# KiCad board 2 - CPU and core components (Rev 2.2).kicad_pcb (continued)
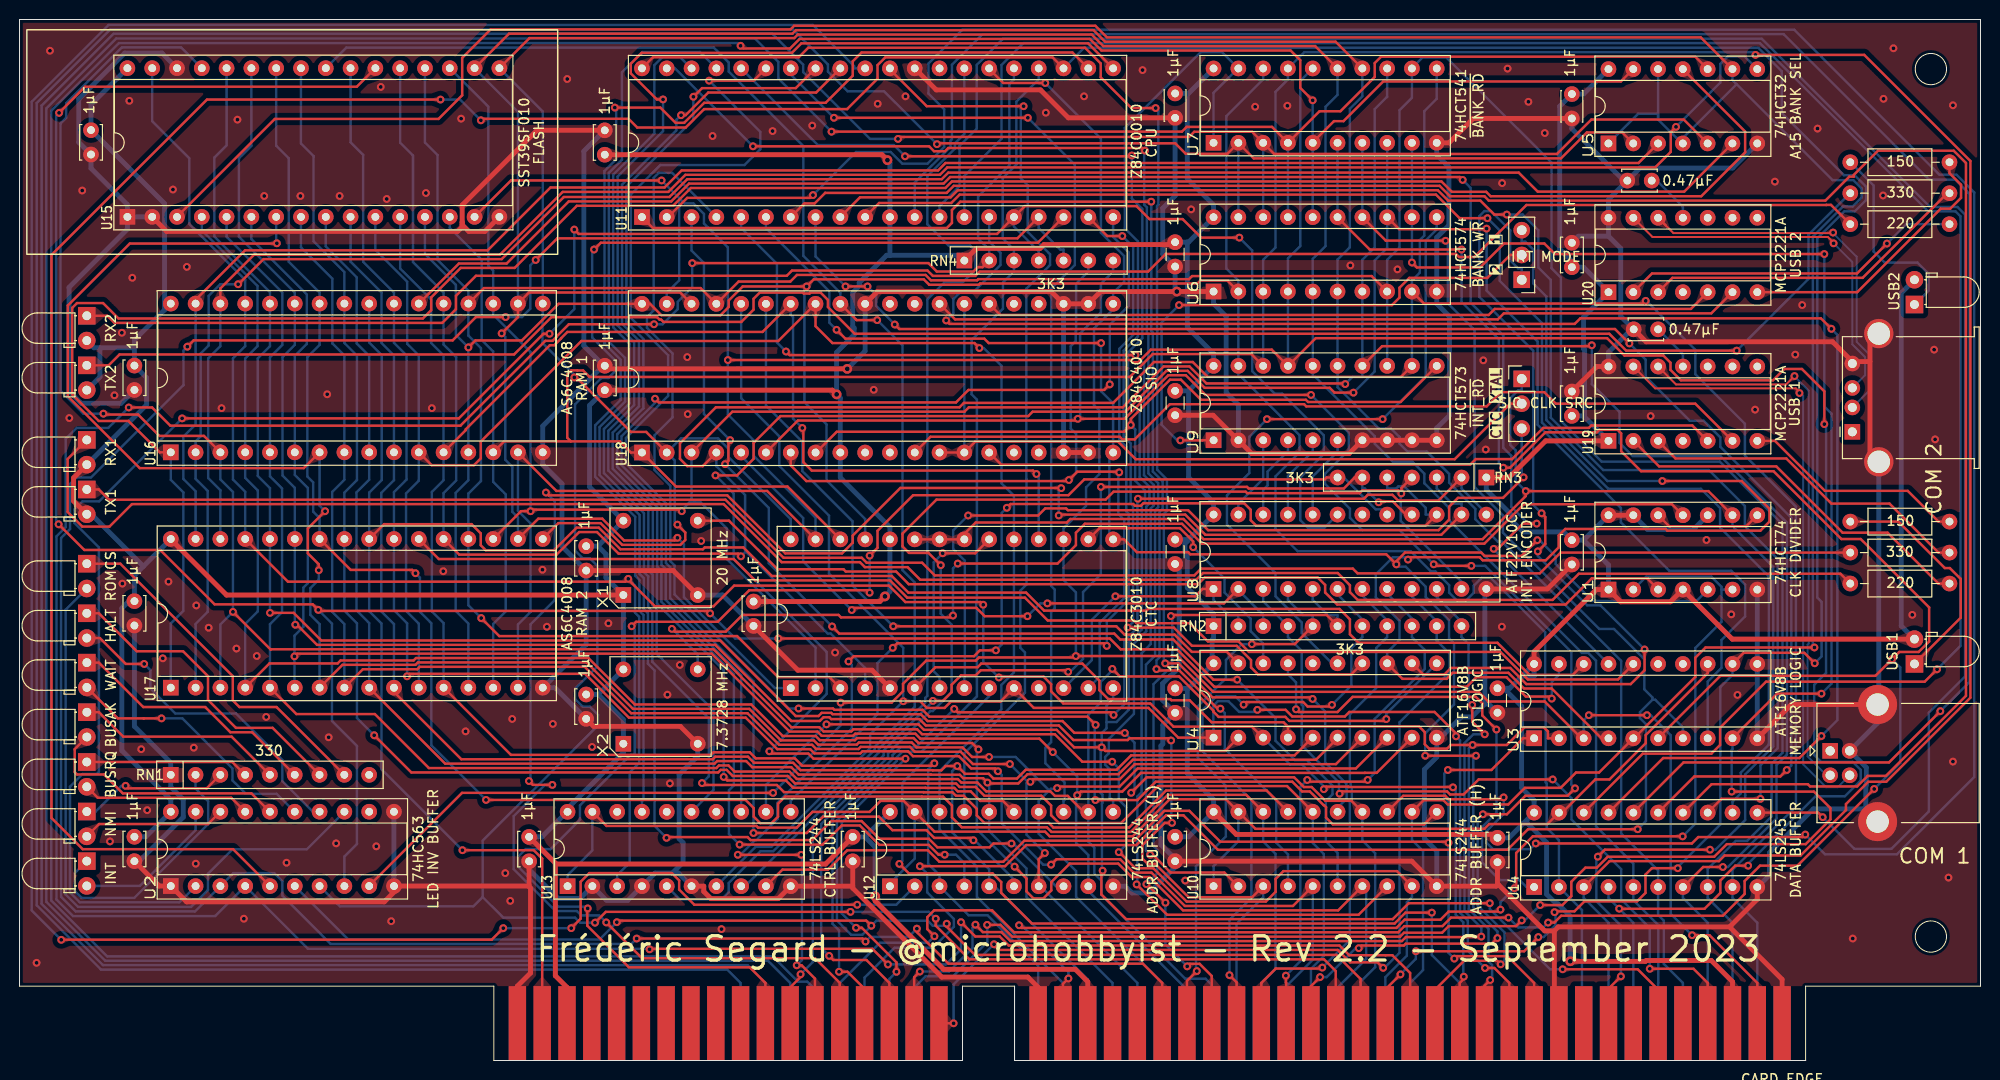
[diagram p0: board, top side]
## Routing (per net, layer and track width the routed paths; a pad name or vN(x,y) marks a point on that pad's centre or on a via; arc(x,y) is an arc through that point) (continued)
~{IORQ}: length 173.2
  Top w0.25: v2(147.14,33.22) 147.14,33.52 144.94,35.72 136.21,35.72 135.75,35.25 130.36,35.25 129.68,35.93 v2(126.79,35.93) ; v2(150.11,9.48) 151.06,9.48 152.6,7.95 J1.43 ; U4.1 118.69,33.08 115.64,36.13 103.89,36.13 101.86,38.16 U21.10 100.47,36.78 95.4,36.78 94.75,36.13 92.94,36.13 92.25,36.82 v2(90.52,36.82)
  Bottom w0.25: U18.36 73.91,67.87 77.82,63.96 77.82,60.93 82.91,55.84 82.91,49.9 90.52,42.29 v2(90.52,36.82) 87.13,33.43 87.13,32.02 77,21.89 75.4,21.89 71.37,17.86 ; v2(147.14,33.22) 147.55,32.81 147.55,15.13 148.34,14.34 148.34,11.24 v2(150.11,9.48) ; v2(126.79,35.93) 126.57,35.72 124.92,35.72 123.82,36.82 122.74,36.82 122.28,36.35 122.28,34.23 122.3,34.21 U4.1
~{IRQ}0: length 27.4
  Top w0.25: U8.1 121.18,48.32 120.43,47.57 v2(112.25,47.57)
  Bottom w0.25: U8.1 122.3,47.2 123.86,45.64 124.84,45.64 RN2.2 ; v2(112.25,47.57) 109.83,45.16 109.83,41.03 106.97,38.16 U21.12
~{IRQ}1: length 66.9
  Top w0.25: v2(105.28,46.85) 123.36,46.85 U8.2 ; v2(103.24,45.53) 98.86,45.53 98.01,46.38 85.46,46.38 v2(85.24,46.16)
  Bottom w0.25: v2(103.24,45.53) 104.56,46.85 v2(105.28,46.85) ; U18.5 73.91,61.94 80.26,55.59 80.26,51.14 v2(85.24,46.16) ; RN2.3 127.38,45.66 124.84,48.2 U8.2
~{IRQ}2: length 81.2
  Top w0.25: v2(157.04,28.8) 149.46,28.8 147.92,27.26 146.53,27.26 146.21,27.58 135.45,27.58 v2(135.21,27.34) ; J1.35 172.92,7.95 171.46,9.4 v2(166.98,9.4)
  Bottom w0.25: U8.3 127.38,47.05 RN2.4 129.92,43.39 131.34,41.97 131.34,36.45 131.47,36.32 131.47,35.69 131.34,35.55 131.34,32.3 135.14,28.49 135.14,27.4 v2(135.21,27.34) ; v2(157.04,28.8) 158.96,26.88 158.96,24.7 164.05,19.61 164.05,16.51 166.98,13.58 v2(166.98,9.4)
~{IRQ}3: length 57.1
  Top w0.25: v2(126.23,42.67) 126.24,42.67 130.62,42.67 RN2.5 ; v2(120.59,9.17) 119.58,8.15 J1.56
  Bottom w0.25: U8.4 129.92,47.2 131.48,45.64 132.46,45.64 RN2.5 ; v2(126.23,42.67) 125.19,42.67 123.57,41.05 123.57,39.17 120.69,36.28 120.69,31.03 123.56,28.15 123.56,22.96 120.5,19.9 120.5,9.25 v2(120.59,9.17)
~{IRQ}4: length 70.2
  Top w0.25: v2(115.42,18.07) 115.46,18.07 v2(117.37,16.16) ; RN2.6 135,44.54 133.89,45.65 118.04,45.65 v2(117.94,45.55) ; J1.55 122.12,8.66 120.87,9.91 119.86,9.91 v2(119.6,9.65)
  Bottom w0.25: v2(115.42,18.07) 116.53,19.18 116.53,21.59 116.15,21.97 116.15,38.56 117.57,39.97 117.65,39.97 118.07,40.4 118.07,45.41 v2(117.94,45.55) ; v2(119.6,9.65) 119.6,9.65 117.37,11.89 117.37,16.15 v2(117.37,16.16) ; U8.5 132.46,47.2 134.02,45.64 135,45.64 RN2.6
~{IRQ}5: length 64.2
  Top w0.25: J1.54 124.66,8.02 v2(123.93,8.75) ; v2(134.43,36.44) 134.26,36.27 131.94,36.27 131.47,36.74 125.65,36.74 v2(125.38,36.47)
  Bottom w0.25: v2(125.38,36.47) 124.54,37.31 122.58,37.31 121.18,35.91 121.18,31.69 126.18,26.68 126.18,16.66 123.93,14.41 v2(123.93,8.75) ; v2(134.43,36.44) 136.42,38.43 136.42,42.26 137.54,43.39 RN2.7 137.54,45.2 135,47.74 U8.6
~{IRQ}6: length 53.8
  Top w0.25: v2(133.44,9.52) 133.34,9.42 128.67,9.42 127.2,7.95 J1.53
  Bottom w0.25: U8.7 137.54,47.64 140.08,45.1 RN2.8 140.08,43.39 138.96,42.26 138.96,38.17 136.26,35.47 136.26,28.64 136.34,28.57 136.34,28.08 136.47,27.95 136.47,26.72 136.26,26.52 136.26,12.34 v2(133.44,9.52)
~{IRQ}7: length 55.8
  Top w0.25: v2(131.9,28.75) 132.07,28.57 137.92,28.57 v2(138.09,28.75) ; v2(129.71,8.69) 129.71,7.97 129.74,7.95 J1.52
  Bottom w0.25: v2(138.09,28.75) 138.8,29.46 138.8,35 143.93,40.13 143.93,42.08 142.62,43.39 RN2.9 142.62,45.31 140.08,47.85 U8.8 ; v2(131.9,28.75) 131.2,28.05 131.2,10.18 v2(129.71,8.69)
~{IRQ}8: length 95.5
  Top w0.25: v2(139.68,9.49) 139.11,10.06 136.29,10.06 135.02,11.33 100.4,11.33 v2(99.82,11.91) ; J1.81 v2(95.67,3.81)
  Bottom w0.25: v2(139.68,9.49) 139.81,9.49 141.35,11.03 141.35,34.65 146.48,39.78 146.48,41.7 145.16,43.02 RN2.10 145.16,45 142.62,47.54 U8.9 ; v2(99.82,11.91) 99.79,11.91 95.67,7.8 v2(95.67,3.81)
~{IRQ}9: length 107.1
  Top w0.25: v2(97.91,13.92) 98.67,13.16 100.58,13.16 101.5,12.23 141.59,12.23 142,12.64 149.67,12.64 v2(149.73,12.7) ; v2(148.79,36.44) 148.79,34.71 v2(150.08,33.43) ; J1.82 91.64,8.53 v2(92.22,9.12)
  Bottom w0.25: v2(97.91,13.92) 97.61,13.61 97.61,11.52 95.21,9.12 v2(92.22,9.12) ; U8.10 145.16,47.49 147.7,44.95 RN2.11 147.7,43.39 148.42,42.67 148.42,36.81 v2(148.79,36.44) ; v2(149.73,12.7) 149.73,13.6 148,15.32 148,32.52 148.54,33.06 148.55,33.06 148.91,33.43 v2(150.08,33.43)
~{IRQ}10: length 131.7
  Top w0.25: J1.83 89.1,7.95 86.74,10.3 83.35,10.3 v2(82.92,10.72) ; RN3.4 141.55,58.67 141.55,58.13 v2(141.53,58.11) 141.21,58.43 137.56,58.43 137.26,58.14 125.74,58.14 125.59,58.29 112.06,58.29 111.25,57.48 93.92,57.48 90.44,54 90.44,52.68 91.1,52.02 93.1,52.02 v2(94.36,50.76)
  Bottom w0.25: v2(82.92,10.72) 82.11,11.53 82.11,24.24 88.96,31.09 88.96,31.47 93.3,35.81 93.55,35.81 95.47,37.74 95.47,44.67 94.36,45.78 v2(94.36,50.76) ; U8.11 147.7,49.07 141.47,55.29 141.47,58.05 v2(141.53,58.11)
~{IRQ}11: length 119.3
  Top w0.25: v2(114.56,57.57) 137.7,57.57 138.1,57.97 140.62,57.97 141.21,57.38 145.34,57.38 RN3.2 ; v2(83.94,9.09) 84.8,9.09 86.56,7.34 J1.84 ; v2(112.06,35.41) 111.79,35.68 96.08,35.68 v2(95.73,36.03)
  Bottom w0.25: v2(95.73,36.03) 91.81,32.1 90.23,32.1 89.41,31.29 89.41,30.9 83.28,24.77 83.28,14 83.94,13.33 v2(83.94,9.09) ; v2(112.06,35.41) 113.16,36.51 113.16,43.01 114.5,44.35 114.5,57.52 v2(114.56,57.57) ; U8.13 150.24,56.08 147.7,58.62 RN3.2
~{IRQ}12: length 196.6
  Top w0.25: v2(53.92,58.2) 54.2,57.92 72.49,57.92 78.44,51.97 84.25,51.97 85.34,53.07 85.34,53.8 90.22,58.67 106.68,58.67 v2(106.7,58.65) ; J1.85 84.02,7.95 81.49,10.48 63.76,10.48 v2(60.09,14.15) ; U8.14 145.63,53.87 121.47,53.87 119.4,55.94 106.53,55.94 v2(106.44,55.85) ; v2(52.18,28.64) 52.57,28.24 v2(54.58,28.24)
  Bottom w0.25: v2(52.18,28.64) 52.34,28.8 52.34,44.7 54.83,47.19 54.83,57.29 v2(53.92,58.2) ; RN3.3 145.16,58.62 146.71,57.07 147.7,57.07 U8.14 ; v2(54.58,28.24) 53.82,28.24 50.62,25.04 50.62,19.61 54.91,15.31 57.09,15.31 57.54,14.86 59.38,14.86 v2(60.09,14.15) ; v2(106.44,55.85) 106.44,58.4 v2(106.7,58.65)
~{IRQ}13: length 135.1
  Top w0.25: v2(84.91,40.89) 85.45,41.43 97.77,41.43 98.37,42.03 v2(100.01,42.03) ; v2(80.07,21.08) 73.58,21.08 v2(73.57,21.08) ; J1.86 81.48,8.39 80.11,9.76 v2(79.61,9.76) ; U8.15 144.03,54.81 126.66,54.81 126.11,55.36 126.11,56.43 125.44,57.1 115.12,57.1 114.86,56.84 114.26,56.84 114.07,57.03 101.52,57.03 v2(101.13,56.64)
  Bottom w0.25: v2(79.61,9.76) 80.14,10.29 80.14,21.01 v2(80.07,21.08) ; v2(100.01,42.03) 100.6,42.63 100.6,56.11 v2(101.13,56.64) ; v2(73.57,21.08) 73.58,21.08 73.83,21.08 75.34,22.59 75.48,22.59 77.64,24.75 77.64,26.42 85.25,34.03 85.25,40.55 v2(84.91,40.89) ; RN3.5 140.08,58.62 141.02,58.62 141.23,58.84 141.83,58.84 144.04,56.63 144.04,55.94 U8.15
~{IRQ}14: length 109.9
  Top w0.25: U8.16 142.01,55.94 140.65,57.3 139.3,57.3 v2(139.21,57.21) ; v2(110.76,58.78) 125.73,58.78 125.9,58.62 135.64,58.62 136.72,59.69 136.77,59.74 RN3.6 ; v2(80,8.84) 80,8.56 78.94,7.49 J1.87 ; v2(93.55,36.85) 94.58,36.85 95.47,37.74 95.47,38.51 96.43,39.46 97.93,39.46 98.46,39.99 107.24,39.99 v2(107.41,39.83)
  Bottom w0.25: v2(139.21,57.21) 137.8,58.62 137.54,58.62 RN3.6 ; v2(93.55,36.85) 93.55,36.8 88.51,31.76 88.51,31.27 81.25,24.01 81.25,10.09 v2(80,8.84) ; v2(110.76,58.78) 110.76,49.83 108.93,48 108.93,41.15 107.61,39.83 v2(107.41,39.83)
~{IRQ}15: length 155.7
  Top w0.25: J1.88 76.4,7.95 74.8,9.55 62.42,9.55 58.16,13.81 58.16,15.55 v2(58.2,15.59) ; v2(87.08,51.73) 87.88,52.54 87.88,54.29 91.53,57.93 107.44,57.93 109.06,59.55 133.68,59.55 133.88,59.74 RN3.7 ; v2(62.7,44.5) 63.16,44.96 71.52,44.96 74.75,48.19 86.82,48.19 v2(87.08,47.94)
  Bottom w0.25: U8.17 139.54,56.48 138.91,56.48 135.64,59.74 RN3.7 ; v2(87.08,51.73) v2(87.08,47.94) ; v2(62.7,44.5) 63.01,44.19 63.01,31.37 62.97,31.33 62.59,31.33 57.4,26.14 57.4,24.67 54.4,21.66 51.85,21.66 51.07,20.88 51.07,19.87 55.18,15.76 58.02,15.76 v2(58.2,15.59)
~{M1}: length 246.3
  Top w0.25: v2(158.06,9.35) 165.75,9.35 167.84,7.26 J1.37 ; v2(150.6,16.12) 142.29,16.12 140.66,14.48 113.35,14.48 110.81,17.02 110.81,19.32 v2(110.94,19.45) ; v2(82.65,34.45) 92.07,34.45 92.64,33.88 106.23,33.88 108.02,32.09 v2(110.85,32.09) 111.22,31.72 123.48,31.72 124.84,33.08 U4.2 ; U18.8 81.58,62.3 83.7,64.43 113.13,64.43 v2(113.82,65.13) 113.82,65.75 117.84,69.77 118.96,69.77 121.02,67.71 131.76,67.71 131.99,67.48 141.46,67.48 U9.11
  Bottom w0.25: U13.12 76.45,28.25 v2(82.65,34.45) ; 111.34,34.68 112.36,34.68 113.62,35.94 113.62,42.83 114.95,44.16 114.95,56.94 115.28,57.27 115.28,58.41 114.28,59.41 114.28,64.67 v2(113.82,65.13) ; 111.34,34.68 111.34,36.36 112.01,37.04 U21.14 ; 111.34,34.68 111.34,34.05 110.85,33.56 v2(110.85,32.09) 110.75,31.99 110.75,27.42 110.92,27.24 110.92,26.39 110.87,26.33 110.87,19.52 v2(110.94,19.45) ; v2(158.06,9.35) 156.78,9.35 150.6,15.53 v2(150.6,16.12)
~{MODE1}: length 129.6
  Top w0.25: v2(168.27,59.39) 176.4,59.39 179.24,56.54 179.24,55.22 178.31,54.29 168.79,54.29 168.61,54.47 158.32,54.47 157.65,53.8 157.65,52.58 156.33,51.26 149.87,51.26 149.56,51.58 142.46,51.58 v2(142.22,51.33) ; U3.4 162.03,33.02 156.93,38.12 154.11,38.12 152.5,39.73 146.79,39.73 146.17,39.11 141.65,39.11 140.08,40.68 U4.13
  Bottom w0.25: J2.3 153.87,83.91 154.23,83.91 155.04,83.11 155.04,79.64 156.39,78.29 156.39,65.63 162.64,59.39 v2(168.27,59.39) ; v2(142.22,51.33) 141.98,51.57 140.67,51.57 138.92,49.82 138.92,47.47 141.34,45.05 141.34,43.09 140.08,41.83 U4.13
~{MODE2}: length 90.8
  Top w0.25: v2(166.45,42.12) 166.45,39.99 165.03,38.57 154.34,38.57 152.69,40.23 146.61,40.23 145.95,39.56 143.77,39.56 U4.12 ; v2(155.9,56.08) 156.28,55.7 156.28,52.93 v2(155.52,52.17)
  Bottom w0.25: v2(166.45,42.12) 161.93,46.64 160.57,46.64 155.52,51.7 v2(155.52,52.17) ; J2.1 153.87,81.19 153.5,81.19 152.69,81.99 152.69,85.07 150.71,87.05 150.04,87.05 149.53,86.54 149.53,78.25 155.04,72.74 155.04,56.94 v2(155.9,56.08)
~{MREQ}: length 119.1
  Top w0.25: v2(146.37,22.31) 146.27,22.42 122.99,22.42 119.82,25.58 117.26,25.58 114.21,22.53 102.92,22.53 100.76,20.36 94.22,20.36 93.04,21.54 84.79,21.54 82.8,19.56 78.15,19.56 U13.9 ; J1.42 155.14,7.95 152.39,10.69 147.21,10.69 v2(146.96,10.44) ; U3.1 154.01,33.02 150.76,29.77 v2(146.3,29.77)
  Bottom w0.25: v2(146.96,10.44) 146.37,11.02 v2(146.37,22.31) 146.37,26.57 145.94,27.01 145.94,29.41 v2(146.3,29.77)
~{NMI}: length 290.1
  Top w0.25: v2(63.21,12.5) 86.35,12.5 v2(86.66,12.19) ; v2(91.92,13.51) 91.92,13.15 95.15,9.92 115.06,9.92 117.04,7.95 J1.57 ; U11.17 102.21,84.25 55.08,84.25 v2(52.87,82.04) ; v2(49.79,76.19) 46.75,76.19 44.36,73.8 17.83,73.8 v2(17.19,73.15)
  Bottom w0.25: v2(49.79,76.19) 51.47,76.19 52.32,77.04 52.32,81.49 v2(52.87,82.04) ; v2(63.21,12.5) 62.66,11.94 31.87,11.94 26.92,16.88 26.92,18.37 26.09,19.2 21.9,19.2 U2.3 17.98,15.28 5.75,15.28 4.26,16.77 4.26,53.55 5.18,54.47 5.18,59.09 5.84,59.75 7.32,59.75 16.79,69.21 16.79,72.75 v2(17.19,73.15) ; U11.17 104.39,85.31 106.6,83.1 106.93,83.1 RN4.5 ; v2(86.66,12.19) 87.14,12.67 91.07,12.67 v2(91.92,13.51)
~{RAM1_CS}: length 173.4
  Top w0.25: v2(155.4,55.02) 154,55.02 151.41,52.44 v2(151,52.44) ; U16.22 45,81.67 49.89,81.67 56.26,88.04 66.75,88.04 68.58,89.86 94.65,89.86 95.32,90.54 147.52,90.54 v2(147.82,90.24)
  Bottom w0.25: U3.17 151,52.4 v2(151,52.44) ; v2(155.4,55.02) 154.53,55.02 152.81,56.74 152.81,61.97 151.97,62.8 151.97,74.32 148.63,77.66 148.63,89.43 v2(147.82,90.24)
~{RAM2_CS}: length 131
  Top w0.25: U17.22 42.95,51.39 73.15,51.39 75.34,49.2 89.15,49.2 90.92,47.43 102.98,47.43 105.32,45.09 114.14,45.09 114.42,44.81 119.86,44.81 121.73,42.95 124.86,42.95 125.94,41.87 151.04,41.87 151.68,41.87 154.5,39.05 163.73,39.05 165.3,40.61 U3.16
~{RAM_OE}: length 222.2
  Top w0.25: v2(45.37,21.55) 52.67,21.55 53.54,20.68 J1.97 ; 35.81,53.44 37.34,54.97 46.3,54.97 47.24,54.02 47.24,52.8 47.75,52.29 54.75,52.29 57.06,54.6 59.34,54.6 61.55,52.39 70,52.39 70.18,52.58 74.14,52.58 77.06,49.65 89.34,49.65 91.04,47.95 103.1,47.95 104.95,46.1 115.42,46.1 115.6,46.28 135.2,46.28 136.27,45.2 136.27,43.68 137.15,42.8 151.38,42.8 154.67,39.51 159.09,39.51 U3.18
  Bottom w0.25: 35.81,77.56 35.81,73.58 37.1,72.29 37.1,59.49 35.81,58.2 35.81,46.04 37.07,44.79 37.07,29.85 v2(45.37,21.55)
~{RD}: length 257.7
  Top w0.25: U3.2 156.55,33.02 156.55,33.72 156.13,34.15 154.15,34.15 152.34,32.33 v2(148.84,32.33) 146.6,32.33 146.23,31.96 144.39,31.96 143.93,32.41 143.93,33.65 143.35,34.24 129.95,34.24 129.92,34.21 ; 129.92,34.21 129.47,34.66 122.11,34.66 119.85,36.92 117.99,36.92 117.87,37.04 111.52,37.04 110.61,37.95 110.61,38.93 108.87,40.67 98.5,40.67 98.13,40.3 93.81,40.3 91.69,38.18 91.69,38.16 ; 129.92,34.21 U4.4 ; v2(87.85,75.87) 85.74,75.87 85.67,75.95 85.67,75.95 U18.32 ; v2(150.63,8.24) 150.06,7.67 J1.44
  Bottom w0.25: U15.24 33.48,103.81 71.11,103.81 72.64,102.27 72.64,101.35 80.28,93.71 80.28,82.46 84.07,78.67 U18.32 ; 66.29,17.86 67.65,16.51 71.9,16.51 72.64,17.25 72.64,18.19 75.9,21.44 77.2,21.44 87.58,31.82 87.58,32.13 91.69,36.24 91.69,49 90.44,50.25 90.44,73.28 v2(87.85,75.87) ; v2(148.84,32.33) 148.45,31.95 148.45,15.51 150.46,13.5 150.46,10.15 150.83,9.78 150.83,8.44 v2(150.63,8.24)
~{RESET}: length 257.6
  Top w0.25: v2(171.32,12.84) 173.1,12.84 178,7.95 J1.33 ; v2(77.18,27.43) 45.33,27.43 35.81,17.91 35.81,17.87 ; v2(166.7,35.39) v2(160.74,35.39) ; v2(84.11,36.67) 89.33,36.67 90.49,37.84 90.49,38.6 92.87,40.98 97.95,40.98 98.27,41.3 108.06,41.3 v2(108.2,41.45) 118.59,41.45 122.26,37.78 149.45,37.78 150.44,36.79 156.22,36.79 156.22,36.78 159.98,33.02 U3.3 ; v2(105.06,100.18) 100.75,100.18 99.31,101.62 U11.26
  Bottom w0.25: U3.3 160.22,34.86 v2(160.74,35.39) ; v2(77.18,27.43) 84.11,34.35 v2(84.11,36.67) ; v2(108.2,41.45) 108.2,47.98 106.93,49.24 U21.17 106.93,54.53 109.25,56.84 109.25,58.74 110.6,60.1 110.6,66.61 110.06,67.15 110.06,75.02 112.01,76.98 U18.21 112.01,78.67 113.14,79.8 113.14,82.45 110.76,84.82 110.76,94.48 v2(105.07,100.18) ; v2(171.32,12.84) 169.13,15.02 169.13,33.34 167.08,35.39 v2(166.7,35.39)
~{ROM_CS}: length 272.2
  Top w0.25: v2(156.94,37.08) 156.73,37.3 154.29,37.3 152.3,39.28 149.22,39.28 148.24,38.3 122.38,38.3 118.54,42.14 112.78,42.14 111.68,43.24 v2(77.71,43.24) ; v2(4,54.95) 6.64,52.32 14.41,52.32 19.98,46.75 30.03,46.75 v2(30.6,46.18) 30.7,46.08 70.48,46.08 v2(70.73,45.82) ; v2(4.05,97.11) 4.05,97.12 6.72,99.79 34.55,99.79 U15.22
  Bottom w0.25: v2(70.73,45.82) 73.31,43.24 v2(77.71,43.24) ; U3.19 157.68,39.51 156.94,38.78 v2(156.94,37.08) ; v2(30.6,46.18) 32,44.77 32,34.8 34.56,32.24 34.56,22.18 33.27,20.9 U2.8 ; v2(4,54.95) 3.75,55.2 3.75,96.81 v2(4.05,97.11)
~{SIO_CS}: length 75.4
  Top w0.25: U4.19 123.67,41.88 120.08,41.88 118.31,43.64 113.19,43.64 112.34,44.5 v2(89.49,44.5)
  Bottom w0.25: U18.35 76.45,67.13 80.18,63.4 80.18,60.4 85.32,55.26 85.32,48.66 v2(89.49,44.5)
~{WAIT}: length 223.1
  Top w0.25: v2(87.25,13.81) 86.73,14.33 61.34,14.33 v2(61.18,14.17) ; v2(94.97,14.01) 94.97,13.71 97.86,10.82 134.89,10.82 137.36,8.36 J1.49
  Bottom w0.25: v2(94.97,14.01) 94.76,13.8 93.55,13.8 93.02,14.33 87.77,14.33 v2(87.25,13.81) 86.32,12.88 85.19,12.88 83.73,14.33 83.73,24.58 89.86,30.71 89.86,31.07 90.45,31.65 92.4,31.65 98.06,37.32 98.06,46.33 97.99,46.4 97.99,47 98.06,47.08 98.06,67.73 97.52,68.28 97.52,73.83 100.73,77.05 100.73,79.73 101.85,80.85 RN4.3 101.85,83.1 100.71,84.25 100.71,90.42 102.11,91.82 102.11,98.26 104.39,100.55 U11.24 ; U2.6 33.67,12.4 59.41,12.4 v2(61.18,14.17)
~{WR}: length 251.5
  Top w0.25: v2(98.71,46.7) 98.43,46.98 90.74,46.98 89.06,48.66 73.2,48.66 71.09,46.55 65.08,46.55 62.35,49.28 v2(62.35,49.36) 62.06,49.07 27.49,49.07 U17.29 ; v2(146.83,27.99) 146.79,28.03 136.12,28.03 136.08,28.06 133.85,28.06 v2(133.6,27.8) ; v2(100.31,39.25) 100.39,39.33 104.89,39.33 105.66,38.56 105.66,37.83 106.91,36.58 115.82,36.58 118.2,34.21 126.23,34.21 127.36,33.08 U4.3 ; J1.45 147.52,7.95 147.93,8.36 v2(147.93,8.59)
  Bottom w0.25: v2(147.93,8.59) 147.88,8.64 147.88,14.17 147.1,14.95 147.1,27.72 v2(146.83,27.99) ; v2(62.35,49.36) 63.04,48.67 63.04,45.89 63.46,45.47 63.46,30.5 62.5,29.53 62.5,20.28 61.21,18.99 U13.3 ; U17.29 23.11,58.29 21.86,59.54 21.86,71.96 23.11,73.21 U16.29 23.11,80 17.39,85.72 17.39,92.46 13.59,96.26 U15.31 ; v2(133.6,27.8) 133.6,28.1 131.36,30.33 130.13,30.33 U4.3 ; v2(98.71,46.7) 98.71,40.85 v2(100.31,39.25)
Net-(D1-A): length 15.4
  Bottom w0.25: U2.19 18.03,23.6 12.32,17.89 D1.2
Net-(D1-K): length 26.2
  Bottom w0.25: RN1.2 18.03,27.86 19.32,26.57 19.32,24.23 11.75,16.66 6.36,16.66 5.66,17.36 5.66,19.21 D1.1
Net-(D2-A): length 14.7
  Top w0.25: U2.18 19.31,24.23 8.15,24.23 D2.2
Net-(D2-K): length 15.5
  Top w0.25: v2(10.86,28.15) 11.12,27.89 19.17,27.89 20.56,29.27 RN1.3
  Bottom w0.25: v2(10.86,28.15) 10.44,28.15 7.8,25.51 D2.1
Net-(D3-A): length 17.3
  Top w0.25: U2.17 21.68,26.92 8.01,26.92 D3.2
Net-(D3-K): length 16.8
  Top w0.25: D3.1 21.79,30.59 RN1.4
Net-(D4-A): length 25.8
  Top w0.25: 25.65,25.49 25.63,25.49 23.75,27.38 10.58,27.38 8.64,29.31 5.89,29.31 5.65,29.55 5.65,31.91 D4.2
Net-(D4-K): length 21.4
  Top w0.25: D4.1 8.12,35.69 10.63,33.19 21.72,33.19 25.63,29.27 RN1.5
Net-(D5-A): length 27.3
  Top w0.25: D5.2 10.07,35.06 12.71,35.06 12.72,35.05 12.73,35.06 v2(14.55,35.06)
  Bottom w0.25: v2(14.55,35.06) 16.67,35.06 21.81,29.92 21.81,28.7 23.18,27.33 26.33,27.33 28.17,25.49 U2.15
Net-(D5-K): length 26.1
  Top w0.25: RN1.6 23.83,33.64 21.6,33.64 19.02,36.22 12.67,36.22 8.12,40.77 D5.1
Net-(D6-A): length 33.6
  Top w0.25: D6.2 8.23,43.29 10.88,40.64 v2(12.77,40.64)
  Bottom w0.25: v2(12.77,40.64) 13.4,40 13.4,38.12 15.96,35.56 22.17,35.56 26.92,30.81 26.92,28.62 30.05,25.49 30.73,25.49
Net-(D6-K): length 32.1
  Top w0.25: RN1.7 30.73,29.28 25.93,34.09 22.17,34.09 19.3,36.95 19.3,39.39 16.75,41.94 12.01,41.94 8.11,45.83 D6.1
Net-(D7-A): length 66.4
  Bottom w0.25: U2.13 29.42,21.64 21.81,21.64 19.3,19.13 19.3,17.48 17.56,15.74 6,15.74 4.72,17.02 4.72,46.2 D7.2
Net-(D7-K): length 36.8
  Top w0.25: RN1.8 26.32,36.22 22.52,36.22 21.84,36.9 21.84,39.39 10.32,50.91 D7.1
Net-(D8-K): length 24.4
  Top w0.25: R1.1 192.44,55.22 197.21,50.46 197.72,50.46 198.83,49.35 198.83,45.38 D8.1
Net-(D9-K): length 185.6
  Top w0.25: R2.1 157.85,52.05 155.72,49.93 137.05,49.93 136.57,50.41 121.03,50.41 120.34,49.71 93.74,49.71 92.45,51.01 86.78,51.01 86.27,51.52 78.26,51.52 72.31,57.47 9.17,57.47 8.11,58.52 D9.1
Net-(D10-K): length 199
  Top w0.25: R3.1 186.51,49.88 159.72,49.88 157.03,47.2 137.07,47.2 136.27,48 136.27,48.71 135.02,49.96 121.22,49.96 120.52,49.26 92.26,49.26 90.96,50.56 86.59,50.56 86.08,51.07 78.07,51.07 72.12,57.02 11.52,57.02 9.21,54.71 6.42,54.71 4.93,56.21 4.93,61.64 D10.1
Net-(D11-K): length 20.5
  Bottom w0.25: D11.1 194.13,77.47 195.55,78.89 195.55,80.62 194.39,81.77 191.04,81.77 189.91,82.91 189.91,89.67 R4.1
Net-(D12-K): length 197.1
  Top w0.25: D12.1 9.13,71.24 10.24,72.35 50.65,72.35 54.48,76.18 65.31,76.18 65.56,75.92 65.72,75.92 65.95,75.69 73.93,75.69 75.18,76.94 75.18,78.06 75.82,78.69 80.23,78.69 80.32,78.6 80.92,78.6 81.02,78.69 82.05,78.69 82.8,77.94 82.8,77.21 85.55,74.47 162.84,74.47 164.56,72.75 v2(175.89,72.75)
  Bottom w0.25: R5.1 187.49,88.88 183.24,84.62 183.24,80.09 v2(175.89,72.75)
Net-(D13-K): length 188.3
  Top w0.25: R6.1 185.55,87.68 185.07,87.68 185.06,87.67 154.35,87.67 149.02,82.34 147.45,82.34 147.14,82.65 117.4,82.65 115.6,80.85 98.34,80.85 97.9,80.4 93.55,80.4 93,80.95 79.12,80.95 78.59,80.42 46.75,80.42 44.7,78.37 44.7,76.99 43.3,75.59 9.72,75.59 8.99,76.32 D13.1
Net-(J2-Pin_2): length 56.8
  Top w0.25: U9.1 121.18,63.56 121.17,63.55 v2(118.9,63.55) ; v2(118.77,77.41) 140.58,77.41 141.34,78.18 141.34,79.19 142.36,80.2 150.34,80.2 152.69,82.55 J2.2
  Bottom w0.25: v2(118.77,77.41) 116.96,75.61 116.96,74.99 116.98,74.97 116.98,65.16 118.59,63.55 v2(118.9,63.55)
Net-(J5-Pin_2): length 78.4
  Top w0.25: J5.2 152.69,67.31 147,61.62 114.33,61.62 112.52,63.43 97.9,63.43 U18.14 U18.13
  Bottom w0.25: U18.27 U18.14
Net-(U1A-C): length 104.6
  Top w0.25: X1.5 72.66,55.32 77.64,50.34 84.4,50.34 84.63,50.11 89.78,50.11 91.08,48.81 120.71,48.81 121.4,49.51 132.96,49.51 133.73,48.73 133.73,47.96 134.97,46.73 158.36,46.73 161.05,49.41 166.71,49.41 167.84,48.29 U1.3
Net-(U1B-C): length 120.3
  Top w0.25: v2(96.1,50.92) 106.31,50.92 108.2,52.81 108.2,54.08 109.12,55 119.06,55 121.1,52.97 150.04,52.97 154.08,57.01 169.25,57.01 U1.11 ; v2(66.82,44.23) 67.11,43.94 72.34,43.94 74.06,45.67 83.89,45.67 84.14,45.41 95.42,45.41 v2(95.61,45.6)
  Bottom w0.25: v2(66.82,44.23) 66.86,44.23 69.47,41.62 X2.5 ; v2(96.1,50.92) 95.61,50.44 v2(95.61,45.6)
Net-(U1B-D): length 11.1
  Top w0.25: U1.12 168.97,54.74 176.86,54.74 U1.8
Net-(U9-D1): length 8.7
  Bottom w0.25: U8.23 124.84,57.07 127.39,59.61 U9.3
Net-(U9-D2): length 8.7
  Bottom w0.25: U8.22 127.38,58.48 127.84,58.93 127.84,60.35 129.93,62.44 U9.4
Net-(U9-D3): length 8.7
  Bottom w0.25: U8.21 129.92,59.89 132.47,62.44 U9.5
Net-(U9-D4): length 8.7
  Bottom w0.25: U9.6 135.01,62.39 132.46,59.85 U8.20
Net-(U18-RxDA): length 88.8
  Top w0.25: U19.6 171.65,67.31 157.36,67.31 156.17,68.49 151.74,68.49 150.28,67.03 131.8,67.03 131.57,67.26 117.83,67.26 114.22,63.65 112.96,63.65 112.7,63.92 93.31,63.92 U18.12
Net-(U18-RxDB): length 83
  Top w0.25: U20.6 173.29,76.57 152.04,76.57 151.42,75.95 95.83,75.95 U18.28
Net-(U18-TxDA): length 76.4
  Top w0.25: U19.5 171.34,65.08 161,65.08 160.75,64.83 156.07,64.83 152.88,61.63 149.15,61.63 148.59,61.06 100.56,61.06 U18.15
Net-(U18-TxDB): length 75
  Top w0.25: U18.26 100.46,76.4 150.49,76.4 151.11,77.02 171.2,77.02 U20.5
Net-(U19-GP0_(Rx)): length 38.4
  Top w0.25: U19.2 165.32,63.5 167.94,60.88 179.94,60.88 186.74,54.09 191.34,54.09 196.56,48.87 R3.2
Net-(U19-GP1_(Tx)): length 34.6
  Top w0.25: R2.2 196.56,52.05 191.53,57.07 185.59,57.07 180.97,61.7 169.62,61.7 167.84,63.47 U19.3
Net-(U19-GP2_(USB)): length 23.1
  Top w0.25: R1.2 196.56,55.22 193.41,58.37 184.92,58.37 179.8,63.5 U19.7
Net-(U19-VUSB): length 4.9
  Bottom w0.25: C20.1 170.38,72.39 U19.11
Net-(U20-GP0_(Rx)): length 35.3
  Top w0.25: v2(191.28,83.72) 188.21,80.66 167.21,80.66 U20.2
  Bottom w0.25: R6.2 193.26,85.7 v2(191.28,83.72)
Net-(U20-GP1_(Tx)): length 34
  Top w0.25: U20.3 169.3,80.21 188.78,80.21 197.46,88.88 R5.2
Net-(U20-GP2_(USB)): length 29
  Top w0.25: R4.2 197.68,90.93 198.86,89.75 198.86,88.4 197.76,87.29 196.78,87.29 188.23,78.74 U20.7
Net-(U20-VUSB): length 5.4
  Bottom w0.25: U20.11 170.38,87.49 167.69,90.17 C21.1
Net-(U21-CLK/TRG3): length 19.8
  Top w0.25: v2(94.56,51.98) 97.89,51.98 U21.20
  Bottom w0.25: v2(94.56,51.98) 93.63,51.06 93.63,39.89 94.23,39.29 U21.7

## Copper pours and planes (outline as drawn; the poured copper is in the pictures)
GND on Top, Bottom: -2.37,108.1 201.9,107.65 201.19,7.62 -0.44,7.62

Small or netless copper shapes (teardrops, artwork), in the pictures only: 657 on Top, 867 on Bottom

## Text on the board
B.Silkscreen: JLCJLCJLCJLC | Frédéric Segard - @microhobbyist - Rev 2.2 - September 2023
F.Silkscreen: Frédéric Segard - @microhobbyist - Rev 2.2 - September 2023
